# KiCad board v2a.kicad_pcb (continued)
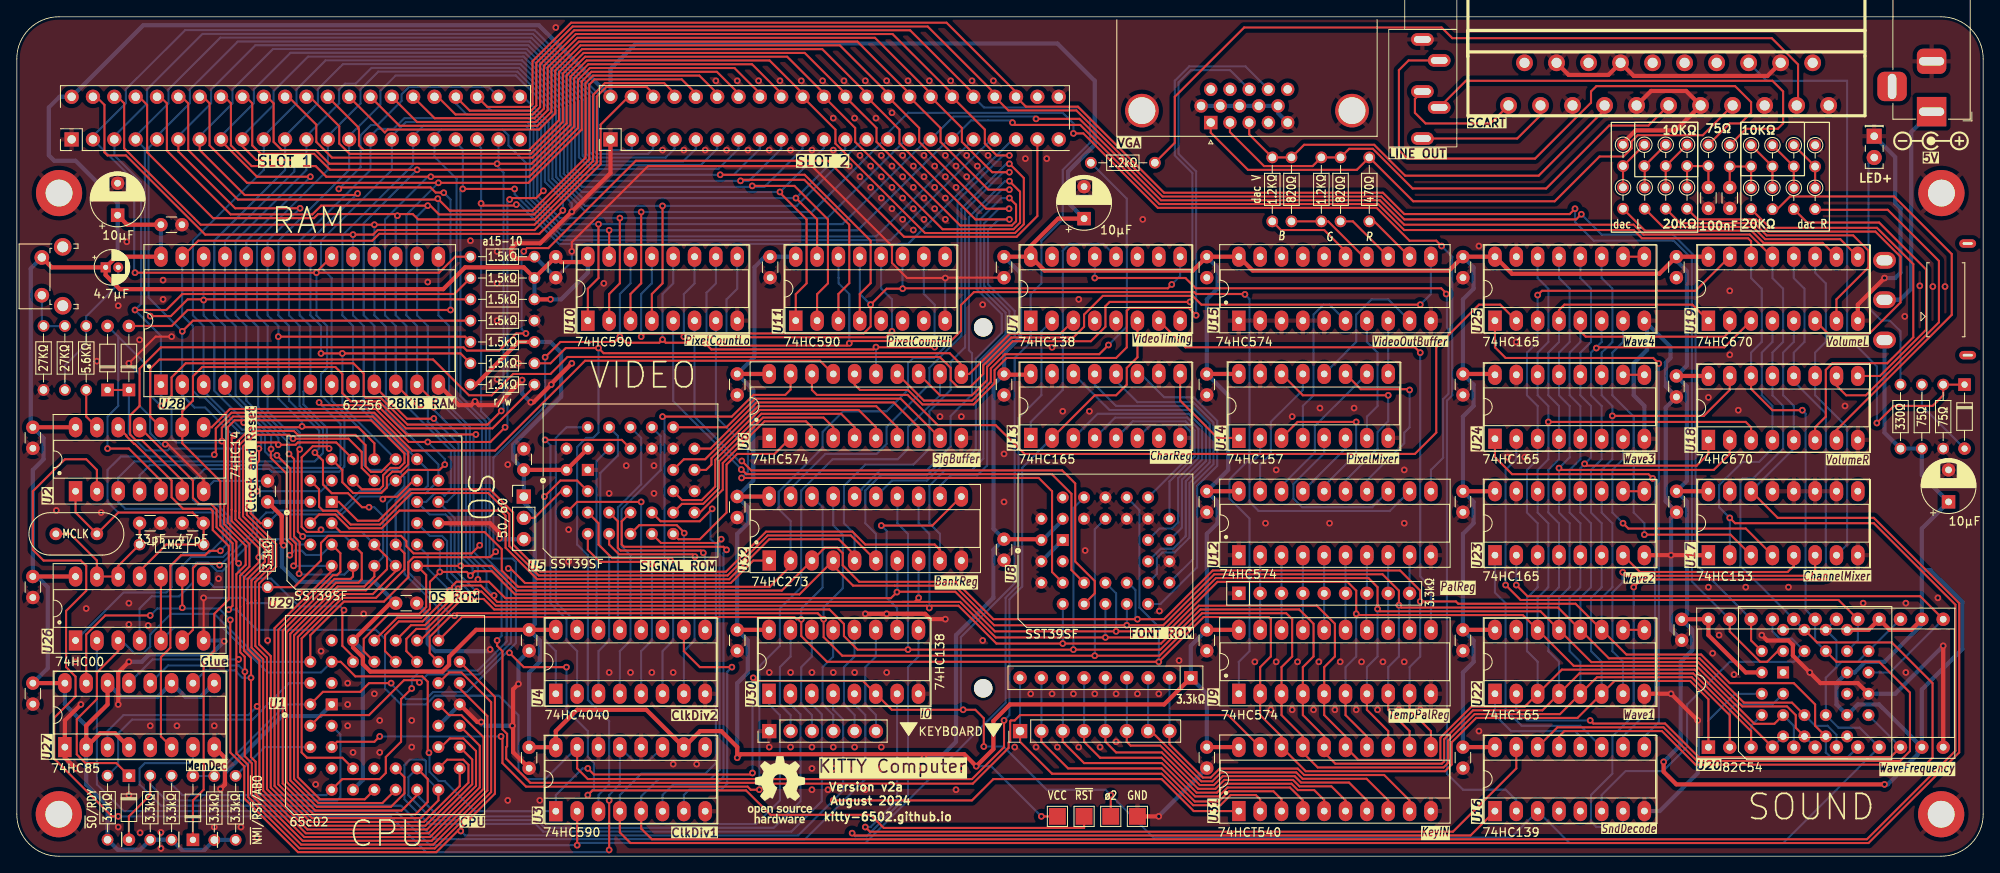
[diagram p0: board, top side]
## Routing (per net, layer and track width the routed paths; a pad name or vN(x,y) marks a point on that pad's centre or on a via; arc(x,y) is an arc through that point) (continued)
  Bottom w0.25: U20.4 208.92,13 U21.5 ; U32.13 107.32,39.67 108.59,38.4 v1(108.59,29.57) ; v1(48.9,77.5) 47.63,76.23 U28.16 47.63,64.44 48.9,63.17 48.9,51.73 52.11,48.53 52.11,43.14 51.18,42.21 U29.18 52.11,40.27 52.11,34.12 v1(54.7,31.53) ; U8.5 v1(124.47,25.33) ; v1(180.98,66.85) U25.3 180.98,61.26 179.71,59.99 179.71,54.91 180.98,53.64 U24.3 180.98,47.29 179.71,46.02 179.71,40.94 180.98,39.67 U23.3 180.98,32.05 179.71,30.78 179.71,24.43 180.98,23.16 U22.3
D5: length 444.8
  Top w0.25: v1(106.05,24.61) 136.07,24.61 140.86,29.39 152.61,29.39 154.31,27.69 154.31,23.8 153.04,22.53 U9.4 153.04,16.81 155.58,14.27 155.58,12.34 156.9,11.03 169.59,11.03 169.85,11.29 169.85,13.94 173.29,17.38 181.54,17.38 U22.4 185.94,21.78 199.5,21.78 206.38,14.89 U20.3 ; 14.14,90.87 15.51,89.5 15.51,83.86 23.35,76.01 35.36,76.01 35.85,76.5 47.12,76.5 47.75,75.86 61.61,75.86 68.57,82.83 68.57,90.69 69.97,92.09 77.04,92.09 78.27,90.87 ; U25.4 183.52,65.07 184.16,65.7 199.4,65.7 U19.1 ; U1.31 48.01,25.7 52.96,30.64 55.55,30.64 56.8,29.39 96.7,29.39 98.43,27.67 98.43,26.23 100.05,24.61 105.87,24.61 106.05,24.43
  Bottom w0.25: U25.4 183.52,61.26 182.25,59.99 182.25,54.91 183.52,53.64 U24.4 183.52,47.29 182.25,46.02 182.25,40.94 183.52,39.67 U23.4 183.52,32.05 182.25,30.78 182.25,24.43 183.52,23.16 U22.4 ; v1(53.98,30.64) 53.98,31.42 51.66,33.74 51.66,40.09 51.04,40.71 49.13,40.71 U29.19 48.7,42.21 49.74,43.25 50.6,43.25 50.9,42.94 51.66,43.7 51.66,48.34 46.36,53.64 46.36,63.17 45.09,64.44 U28.17 45.09,76.11 v1(45.29,76.3) ; v1(125.74,24.61) 125.74,41.47 U8.27 ; U21.4 206.38,15.54 U20.3 ; v1(106.05,24.61) 106.05,38.4 104.78,39.67 U32.14
D6: length 446.6
  Top w0.25: 11.6,90.87 12.78,89.69 12.78,84.33 21.88,75.23 61.61,75.23 69.02,82.64 69.02,90.51 70.16,91.65 74.95,91.65 75.73,90.87 ; U20.2 203.84,16.8 199.31,21.33 188.03,21.33 U22.5 183.63,16.92 173.48,16.92 170.31,13.75 170.31,11.11 169.77,10.57 154.81,10.57 153.04,12.34 153.04,14.27 150.5,16.81 U9.3 150.5,22.53 151.77,23.8 151.77,28.24 151.06,28.94 141.04,28.94 135.98,23.89 98.23,23.89 96.01,26.1 v1(96.01,28.24) 95.31,28.94 52.39,28.94 v1(52.09,28.64) 51.65,28.64 49.13,26.13 49.13,24.2 U1.30 ; U25.5 186.06,62.53 186.69,61.89 203.21,61.89 203.84,62.53 U19.2
  Bottom w0.25: U25.5 186.06,61.26 184.79,59.99 184.79,54.91 186.06,53.64 U24.5 186.06,47.29 184.79,46.02 184.79,40.94 186.06,39.67 U23.5 186.06,32.05 184.79,30.78 184.79,24.43 186.06,23.16 U22.5 ; U20.2 203.84,17.44 204.47,18.08 208.92,18.08 U21.3 ; v1(128.28,23.89) 128.28,38.94 129.54,40.2 ; U32.17 97.16,39.42 98.28,38.29 98.28,31.91 96.01,29.63 v1(96.01,28.24) ; v1(42.55,75.23) U28.18 42.55,64.44 43.91,63.07 43.91,52.91 50.17,46.66 U29.20 48.67,43.25 47.2,43.25 46.59,42.64 46.59,33.81 51.76,28.64 v1(52.09,28.64)
D7: length 442.7
  Top w0.25: U20.1 201.3,18.7 199.13,20.88 190.12,20.88 U22.6 185.72,16.47 173.66,16.47 170.75,13.57 170.75,10.92 169.96,10.12 153.38,10.12 150.51,13 U31.18 150.5,14.27 147.96,16.81 U9.2 147.96,22.53 149.23,23.8 149.23,28.24 148.97,28.5 141.23,28.5 v1(135.9,23.16) 96.42,23.16 93.35,26.23 v1(93.35,28.22) 92.8,28.22 92.52,28.5 52.97,28.5 U1.29 ; 9.06,90.87 10.43,89.5 10.43,83.86 10.8,83.48 12.99,83.48 22.42,74.05 v1(40.01,74.05) 42.4,74.05 42.94,74.59 61.61,74.59 69.47,82.46 69.47,87.15 73.19,90.87 ; U19.3 203.21,60.62 188.06,60.62 v1(187.97,60.53)
  Bottom w0.25: U22.6 188.6,23.16 187.33,24.43 187.33,30.78 188.6,32.05 U23.6 188.6,39.67 187.33,40.94 187.33,46.02 188.6,47.29 U24.6 188.6,53.64 187.33,54.91 187.33,59.99 188.6,61.26 U25.6 ; v1(135.9,23.16) 135.9,27.31 133.59,29.62 133.59,41.24 U8.23 ; U1.29 50.17,29.6 46.14,33.63 46.14,42.83 47.01,43.7 48.48,43.7 48.9,44.12 48.9,46.02 U29.21 41.28,53.64 41.28,63.17 40.01,64.44 U28.19 v1(40.01,74.05) ; U20.1 201.3,16.17 204.47,19.35 U21.2 ; U32.18 95.89,41.58 95.89,32.01 93.35,29.47 v1(93.35,28.22)
FX TICK: length 103.6
  Top w0.25: U25.2 176.53,65.7 174,65.7 168.91,60.62 168.91,50.47 166.38,47.92 119.91,47.92 116.48,51.36 109.6,51.36 106,54.95 95.21,54.95 94.62,55.55 U6.18
  Bottom w0.25: 178.44,63.17 U25.2
LEFT: length 70.2
  Top w0.25: R27.1 203.84,87.3 205.11,87.3 206.38,88.56 206.38,89.84 204.47,91.74 187.97,91.74 187.33,91.1 187.33,89.76 180.67,83.1 165.49,83.1 164.47,84.12 164.47,93.65 165.62,94.8 J8.T
R/~{W}: length 95.8
  Top w0.25: R2.1 61.6,55.98 56.59,50.97 46.31,50.97 43.09,54.18 39.73,54.18 38.74,55.17 38.74,57.45 37.92,58.28 22.06,58.28 20.96,57.18 20.96,54.28 19.69,53 U2.9 19.69,49.19 20.96,47.93 24.22,44.67 24.22,39.37 26.12,37.46 26.12,35.14 26.58,34.68 ; U1.38 40.01,23.8 38.74,25.06 38.74,29.12 v1(38.94,29.31)
  Bottom w0.25: v1(26.4,34.89) 26.4,33.93 27.25,33.08 30.27,33.08 33.59,29.76 38.49,29.76 v1(38.94,29.31)
RAM: length 112.8
  Bottom w0.25: U30.5 99.68,18.1 100.97,16.81 100.97,9.19 93.81,2.03 49.7,2.03 45.72,6.01 17.15,6.01 14.61,8.56 14.61,10.46 15.24,11.09 20.41,11.09 20.96,11.64 U27.7
RDY: length 42.2
  Top w0.25: D1.2 13.34,4.75 15.88,7.28 R1.1
  Bottom w0.25: R1.1 15.88,8.56 17.78,6.65 38.11,6.65 38.51,7.05 38.51,14.5 U1.3
RIGHT: length 54
  Top w0.25: R36.1 205.79,86.66 209.56,86.66 210.19,87.3 210.19,91.1 208.92,92.38 172.44,92.38 J8.R
ROM DISABLE: length 93.4
  Top w0.25: D4.2 18.42,63.17 20.33,65.07 v1(51.61,65.07) ; v1(38.32,79.49) 38.5,79.67 49.23,79.67 49.85,79.06 50.4,79.06 50.42,79.04 v1(50.81,79.04)
  Bottom w0.25: v1(51.61,65.07) 51.61,78.23 v1(50.81,79.04) ; J5.42 56.15,91.65 46.68,91.65 45.8,90.77 45.8,89.98 42.92,87.11 42.14,87.11 40.91,85.88 40.91,82.09 v1(38.32,79.49)
VBlue: length 50.8
  Top w0.25: J7.3 146.66,85.99 R14.2 R15.2 153.19,84.75 161.52,84.75 165.21,81.07 181.11,81.07 188.94,88.91 188.94,89.44
VGreen: length 61.9
  Top w0.25: J7.2 144.37,86.27 148.42,82.22 154.21,82.22 R16.2 R17.2 158.55,84.27 161.37,84.27 166.09,79.55 182,79.55 189.49,87.04 194.16,87.04 J4.11
VPixel: length 142.5
  Top w0.25: v1(23.5,47.83) 23.67,48.01 23.67,50.96 25.55,52.83 42.53,52.83 47.04,48.33 56.92,48.33 67.62,59.03 95.59,59.03 U6.17
  Bottom w0.25: v1(23.5,47.83) 23.29,47.62 12.4,47.62 10.8,46.02 10.8,42.21 12.07,40.94 23.5,40.94 24.5,39.94 24.5,37.73 22.88,36.11 19.89,36.11 18.42,34.63 18.42,32.05 17.78,31.42 12.7,31.42 U26.1
VRed: length 73.1
  Top w0.25: J7.1 142.07,86.19 146.5,81.77 159.46,81.77 R18.2 166.17,78.02 183.01,78.02 188.35,83.36 191.19,83.36 192.16,84.33 192.16,85.17 192.88,85.89 200.63,85.89 J4.15
VReset: length 44
  Top w0.25: v1(76.84,52.37) 85.08,52.37 87.67,54.95 91.44,54.95 92.08,55.59 U6.19
  Bottom w0.25: v1(76.84,52.37) 77.07,52.14 77.07,27.2 U4.11
~{B7}: length 155.7
  Top w0.25: U2.6 19.69,44.75 14.87,49.58 14.14,49.58 13.48,50.23 13.48,52.52 14.61,53.64 14.61,58.08 17.15,60.62 53.17,60.62 53.56,60.23 57.4,60.23 59.44,62.28 v1(60.58,62.28) ; J6.41 121.45,76.26 118.97,73.79 105.59,73.79 96.53,82.85 73.67,82.85 63.26,72.44 60.72,72.44 v1(60.33,72.06)
  Bottom w0.25: v1(60.33,72.06) 60.08,71.8 60.08,62.78 v1(60.58,62.28)
~{CART}: length 167.1
  Top w0.25: v1(55.08,37.04) 54.12,36.08 47.22,36.08 46.36,36.93 46.36,37.53 45.72,38.17 37.04,38.17 36.2,37.33 36.2,35.24 33.01,32.05 30.48,32.05
  Bottom w0.25: v1(55.08,37.04) 55.36,37.32 55.36,51.62 52.34,54.64 52.34,80.68 49.7,83.32 J5.35 ; 113.83,85.79 J6.35 102.28,73.84 64.89,73.84 60.59,78.15 60.59,82.59 58.5,84.68 58.5,85.88 57.81,86.56 50.48,86.56 49.7,85.79 ; U26.8 23.5,32.05 R37.1
~{ChrGet}: length 31.2
  Bottom w0.25: U13.1 120.66,51.73 124.47,55.55 124.47,72.14 125.27,72.94 129.29,72.94 U7.12
~{CLK1}: length 177.7
  Top w0.25: v1(167.01,65.7) 140.97,65.7 139.92,66.76 129.24,66.76 127,64.52 127,63.08 125.73,61.8 118.33,61.8 115,58.48 115,57.45 113.48,55.92 111.93,55.92 111.13,56.73 111.13,58.17 109.83,59.47 65.53,59.47 63.5,57.45 59.06,57.45 56.52,54.91 53.8,54.91 49.54,59.17 16.97,59.17 15.88,58.08 15.88,52.37 U2.10
  Bottom w0.25: U15.11 168.28,66.97 v1(167.01,65.7)
~{HSync}: length 90.1
  Top w0.25: v1(140.34,64.44) 139.45,65.33 132.43,65.33 132.09,64.98 132.09,60.62 130.81,59.36 117.79,59.36 116.35,57.92 116.35,56.33 113.85,53.83 107.77,53.83 106.05,55.55 100.34,55.55 99.7,56.18 U6.16
  Bottom w0.25: v1(140.34,64.44) 140.34,81.58 138.25,83.67 138.25,92.19 139.71,93.65 144.37,93.65 J7.13
~{NMI}: length 187.6
  Top w0.25: U1.7 38.74,9.19 43.19,9.19 43.91,9.91 43.91,11.82 45.72,13.64 45.72,18.72 v1(47,19.98) ; v1(53.06,79.5) v1(59.24,79.5)
  Bottom w0.25: J5.37 52.24,85.04 53.06,84.22 v1(53.06,79.5) 52.79,79.22 52.79,54.83 53.98,53.64 53.98,53.64 55.81,51.81 55.81,35.58 58.3,33.1 58.3,25.57 54.83,22.11 48.06,22.11 47,21.05 v1(47,19.98) ; 116.37,85.79 103.97,73.39 64.7,73.39 59.24,78.86 v1(59.24,79.5) ; U1.7 36.83,7.28 19.69,7.28 18.42,8.56 R3.1
~{OscWr}: length 106.8
  Top w0.25: U16.1 172.99,2.47 99.68,2.47 v1(99.4,2.75)
  Bottom w0.25: U30.9 107.3,23.77 106.05,22.53 106.05,7.29 101.15,2.38 99.76,2.38 v1(99.4,2.75)
~{PalGet}: length 66.2
  Top w0.25: v1(167.01,59.99) 166.38,60.62 139.07,60.62 U7.7
  Bottom w0.25: U9.11 168.28,32.05 167.01,33.32 v1(167.01,59.99)
~{PalPush}: length 69.7
  Top w0.25: 170.19,66.97 169.5,67.66 140.29,67.66 139.07,68.88 v1(128.28,68.88)
  Bottom w0.25: v1(128.28,68.88) U7.13 ; v1(170.09,66.97) 170.19,66.89 170.19,62.98 170.37,62.8 170.37,55.1 169.74,54.46 169.74,47.47 168.28,46.02 U12.11
~{PAL}/NTSC: length 6.4
  Top w0.25: J9.2 61.6,40.31 64.78,43.48 U5.2
~{RAMRD}: length 100.6
  Top w0.25: v1(24.22,36.38) 22.93,36.38 22.41,35.86 19.55,35.86 18.27,34.59 18.27,24.83 17.15,23.71 17.15,14.27 U27.6
  Bottom w0.25: U28.22 32.39,64.44 33.66,63.17 33.66,53.64 36.43,50.86 36.43,48.01 35.45,47.03 14,47.03 12.07,45.11 U2.3 12.07,42.21 12.89,41.39 23.69,41.39 24.95,40.12 24.95,37.11 v1(24.22,36.38)
~{RegTick}: length 101.1
  Top w0.25: v1(74.3,61.89) 74.68,62.28 100.78,62.28 101.6,63.1 v1(101.6,65.7) 103.51,67.61 v1(105.41,67.61) 105.46,67.66 136.98,67.66 v1(137.44,68.11)
  Bottom w0.25: v1(137.44,68.11) 138.44,69.11 U7.9 ; U10.13 75.57,68.25 74.3,66.97 v1(74.3,61.89) ; U11.11 105.39,67.63 v1(105.41,67.61) ; v1(79.38,61.89) 79.38,66.97 80.65,68.25 U10.11 ; 100.31,71.42 100.31,67 v1(101.6,65.7)
~{RESET}: length 268
  Top w0.25: TP3.1 127,3.37 103.16,3.37 101.6,4.93 89.69,4.93 86.78,7.84 68.5,7.84 v1(67.95,7.28) ; v1(44.55,20.62) 41.92,20.62 40.88,19.58 36.43,19.58 U1.44 ; v1(65.41,22.53) 60.33,22.53 v1(58.62,24.23) ; v1(59.44,77.63) 59.32,77.51 55.51,77.51 v1(55.25,77.77) ; 20.6,9.55 20.58,9.57
  Bottom w0.25: v1(67.95,7.28) 68.67,8.01 68.67,11.09 67.95,11.82 67.95,14.91 65.41,17.44 v1(65.41,22.53) ; J5.39 54.78,84.84 55.25,84.37 v1(55.25,77.77) 55.25,53 56.26,52 56.26,35.77 56.56,35.47 58.97,35.47 59.39,35.04 59.39,25.4 53.56,19.57 49.55,19.57 48.7,18.72 46.36,18.72 44.55,20.53 v1(44.55,20.62) ; 118.91,85.79 105.96,72.84 105.86,72.94 64.52,72.94 59.83,77.63 v1(59.44,77.63) ; U1.44 32.03,18.08 R43.1 20.98,9.55 D2.2
~{R}/W: length 362
  Top w0.25: U20.22 206.38,25.7 U21.26 ; U29.24 45.29,44.75 46.56,46.02 50.3,46.02 v1(50.93,46.66) ; v1(186.18,76.48) 185.57,75.86 165.1,75.86 162.38,78.59 136.34,78.59 126.09,88.84 117.99,88.84 J6.38 ; 116.37,90.87 108.39,98.84 66.14,98.84 61.82,94.52 61.82,89.43 61.21,88.81 53.9,88.81 J5.38 ; v1(62.66,79.27) 61.8,78.41 58.82,78.41 v1(58.65,78.23) ; v1(58.11,51.1) 56.35,49.35 46.66,49.35 42.72,53.28 25.36,53.28 23.23,51.14 23.23,51.1 U2.8
  Bottom w0.25: U29.24 44.77,44.75 43.5,43.48 40.81,43.48 38.51,41.17 30.72,41.17 30.48,40.94 29.67,40.94 28.58,39.85 28.58,38.1 24.44,33.95 23.83,33.95 22.83,34.96 21.33,34.96 20.96,34.59 20.96,32.6 19.33,30.97 16.06,30.97 14.61,29.51 U26.4 ; v1(58.65,78.23) 58.37,77.96 58.37,51.37 v1(58.11,51.1) ; U20.22 199.78,34.83 199.78,71.35 197.09,74.05 188.6,74.05 v1(186.18,76.48) ; J5.38 52.24,89.67 53.55,88.37 61.1,88.37 62.39,87.07 62.39,79.54 v1(62.66,79.27) ; v1(48.9,49.35) 50.93,47.32 v1(50.93,46.66)
~{Sync}: length 54.5
  Top w0.25: v1(129.91,60.9) 128.81,59.81 117.61,59.81 115.91,58.1 115.91,56.51 113.67,54.28 107.96,54.28 U6.14
  Bottom w0.25: R39.1 132.09,78.34 132.09,63.08 v1(129.91,60.9)
~{VIrq}: length 118.8
  Top w0.25: v1(43.19,14.27) 42.55,13.64 38.11,13.64 U1.5 ; v1(88.36,7.92) 87.33,7.92 86.96,8.29 60.59,8.29 57.79,11.09 57.79,14.1 v1(57.62,14.27)
  Bottom w0.25: v1(57.62,14.27) v1(43.19,14.27) ; v1(88.36,7.92) 88.36,22.62 90.81,25.07 90.81,29.51 93.35,32.05 93.35,43.57 97.07,47.29 104.82,47.29 106.05,48.52 106.05,51.1 109.86,54.91 U6.12
~{VolWr}: length 101.2
  Top w0.25: U16.15 178.44,10.46 170.9,2.92 101.53,2.92 v1(100.97,3.47)
  Bottom w0.25: v1(100.97,3.47) 101.6,3.47 104.76,6.63 U30.7
~{VP}: length 70
  Top w0.25: U1.2 36.2,16.81 41.92,16.81 46.08,20.97 47.63,20.97 v1(47.91,20.7) ; U32.1 87.64,35.22 84.96,32.55 60.48,32.55 58.74,34.28 v1(58.49,34.28)
  Bottom w0.25: v1(58.49,34.28) 58.81,33.97 58.81,25.45 55.02,21.66 48.87,21.66 v1(47.91,20.7)
~{VReset}: length 53.1
  Top w0.25: v1(81.92,61.1) 82.64,60.38 101.97,60.38 v1(102.24,60.65) 102.26,60.62 109.2,60.62 v1(109.22,60.65)
  Bottom w0.25: U10.10 83.19,68.25 82.06,67.12 82.06,61.25 v1(81.92,61.1) ; U6.15 v1(102.24,60.65) ; v1(109.22,60.65) 109.22,65.7 107.93,67 107.93,71.42
~{VSync}: length 80.6
  Top w0.25: U6.13 109.86,54.91 113.67,54.91 115.46,56.7 115.46,58.29 118.52,61.35 127.82,61.35 129.54,63.08 129.54,65.53 130.05,66.03 v1(139.62,66.03)
  Bottom w0.25: J7.14 146.21,94.09 139.52,94.09 137.8,92.38 137.8,83.48 139.89,81.39 139.89,66.31 v1(139.62,66.03)
~{WR}: length 354.7
  Top w0.25: J5.40 55.99,89.27 61.02,89.27 61.37,89.62 61.37,94.71 65.96,99.3 110.64,99.3 118.91,91.03 J6.40 120.08,89.3 126.28,89.3 136.53,79.04 162.56,79.04 165.1,76.5 184.79,76.5 v1(185.43,77.13) ; U20.23 203.84,26.77 207.45,23.16 208.28,23.16 209.56,24.43 U21.27 ; v1(28.58,43.48) 28.58,46.83 28.82,47.08 28.82,48.55 v1(28.81,48.57) ; U28.27 21.59,73.33 42.31,73.33 43.13,74.14 62.19,74.14 v1(64.98,76.93) ; U26.6 20.96,26.97 20.96,34.32 21.49,34.84 23.97,34.84 v1(24.14,34.68)
  Bottom w0.25: U28.27 19.69,64.44 20.96,63.17 20.96,55.46 21.76,54.66 22.34,54.66 26.63,50.36 28.67,50.36 29.08,49.95 29.08,48.84 v1(28.81,48.57) ; v1(64.98,76.93) 64.98,78.2 62.84,80.34 62.84,87.26 61.28,88.81 56.44,88.81 J5.40 ; U29.31 36.2,43.48 v1(28.58,43.48) 28.13,43.03 28.13,38.59 24.22,34.68 v1(24.14,34.68) ; v1(185.43,77.13) 185.43,75.56 187.66,73.33 197.18,73.33 199.34,71.17 199.34,32.73 U20.23
Net-(C1-Pad2): length 17.2
  Bottom w0.25: C1.2 12.07,68.12 8.26,64.31 R6.1 8.26,61.01 5.72,58.47 R5.2
Net-(C2-Pad1): length 18
  Top w0.25: Y1.2 6.35,38.4 9.53,35.22 U26.13 U26.12 12.07,34.59 R7.1 C2.1
Net-(C3-Pad1): length 32.5
  Top w0.25: R7.2 17.78,37.13 14.61,33.95 U26.11 ; 22.21,37.75 22.23,37.77 22.23,40.31 ; C3.1 20.92,40.94 12.07,40.94 Y1.1 6.99,40.94 U2.1
Net-(C4-Pad2): length 7.6
  Top w0.25: R22.1 R26.2 198.76,82.22 R27.2 C4.2
Net-(C5-Pad2): length 7.6
  Top w0.25: R31.1 R35.2 R36.2 C5.2
Net-(D2-K): length 58.3
  Top w0.25: D2.1 20.96,6.65 22.23,7.92 22.23,23.16 23.5,24.43 23.5,28.88 25.22,30.6 25.22,36.95 23.31,38.86 23.31,41.12 23.05,41.39 19.79,41.39 18.42,42.76 18.42,44.75 14.04,49.12 13.96,49.12 13.03,50.05 13.03,50.14 U2.12
Net-(D3-A): length 29.5
  Bottom w0.25: D3.2 220.35,82.56 220.35,65.33 221.88,63.8 222.89,63.8 224.16,62.53 R41.2
Net-(D4-K): length 53.5
  Top w0.25: v1(43.56,42.54) 43.83,42.81 45.26,42.81 47.19,44.75 U29.22 ; v1(28.1,47.86) 27.83,47.58 27.83,40.86 29.01,39.67 R37.2 ; D5.1 D4.1
  Bottom w0.25: D4.1 13.34,50.38 15.37,48.35 17.96,48.35 18.18,48.56 27.4,48.56 v1(28.1,47.86) ; v1(43.56,42.54) 43.25,42.84 40.81,42.84 38.69,40.72 30.91,40.72 29.85,39.67 R37.2
Net-(D6-A): length 9.7
  Bottom w0.25: D6.2 226.7,53.64 R38.2
Net-(D6-K): length 67.9
  Top w0.25: v1(221.34,51.61) 223.38,53.64 227.97,53.64 229.24,54.91 R40.1 D6.1
  Bottom w0.25: J4.16 208.23,92.38 217.81,92.38 217.81,61.89 221.34,58.36 v1(221.34,51.61)
Net-(J4-P19): length 93.2
  Top w0.25: R39.2 137.8,84.98 137.8,90.47 146.06,98.72 169.55,98.72 170.82,97.45 208.84,97.45 211.97,94.32 211.97,89.61 J4.19
Net-(R4-Pad1): length 6.3
  Bottom w0.25: 3.18,63.14 5.7,63.14 R5.1 ; SW1.1 2.98,63.37 R4.1
Net-(R6-Pad2): length 5
  Top w0.25: U2.13 8.26,52.37 R6.2
Net-(R19-Pad1): length 6.1
  Top w0.25: R19.1 R23.2 R24.1
Net-(R20-Pad1): length 6.1
  Top w0.25: R20.1 193.72,82.17 R24.2 R25.1
Net-(R21-Pad1): length 6.1
  Top w0.25: R21.1 R25.2 196.22,82.22 R26.1
Net-(R28-Pad1): length 6.1
  Top w0.25: R33.1 R32.2 R28.1
Net-(R29-Pad1): length 6.1
  Top w0.25: R34.1 R33.2 R29.1
Net-(R30-Pad1): length 6.1
  Top w0.25: R35.1 R34.2 R30.1
Net-(RN1-R1): length 8.9
  Bottom w0.25: U9.19 RN1.2 U12.2
Net-(RN1-R2): length 8.9
  Bottom w0.25: U12.3 RN1.3 U9.18
Net-(RN1-R3): length 8.9
  Bottom w0.25: U9.17 RN1.4 U12.4
Net-(RN1-R4): length 8.9
  Bottom w0.25: U12.5 RN1.5 U9.16
Net-(RN1-R5): length 8.9
  Bottom w0.25: U9.15 RN1.6 U12.6
Net-(RN1-R6): length 9
  Bottom w0.25: U9.14 160.57,27.06 160.57,31.22 RN1.7 U12.7
Net-(RN1-R7): length 8.9
  Bottom w0.25: U9.13 RN1.8 U12.8
Net-(RN1-R8): length 8.9
  Bottom w0.25: U9.12 RN1.9 U12.9
Net-(U1-~{SO}): length 30.9
  Bottom w0.25: U1.42 32.39,20.62 28.03,16.27 13.7,16.27 12.07,14.63 12.07,10.86 R42.1
Net-(U1-ϕ1): length 10.3
  Bottom w0.25: U1.4 29.47,13 R44.1
Net-(U3-Q6): length 54.3
  Top w0.25: U5.10 71.98,39.89 71.98,37.13 72.24,36.86 84.09,36.86 v1(84.46,36.5)
  Bottom w0.25: U3.6 76.84,7.28 78.11,8.56 83.19,8.56 84.09,9.46 84.09,36.12 v1(84.46,36.5)
Net-(U3-Q7): length 49.6
  Top w0.25: v1(79.42,38.49) 79.42,38.55 78.54,39.44 74.07,39.44 U5.9 ; v1(85.09,22.53) 81.28,22.53 79.38,24.43 U4.10
  Bottom w0.25: U3.7 79.38,7.28 80.02,7.92 83.83,7.92 84.54,8.63 84.54,21.97 v1(85.09,22.53) ; v1(79.42,38.49) 79.38,38.45 U4.10
Net-(U4-Q0): length 25.1
  Top w0.25: v1(81.69,36.14) 81.42,36.42 71.84,36.42 71.53,36.73 71.53,39.9 U5.8
  Bottom w0.25: 82.48,27.53 U4.9 81.92,35.91 v1(81.69,36.14)
Net-(U4-Q1): length 29
  Top w0.25: U5.7 70.49,37.13 71.66,35.97 80.43,35.97 v1(80.7,35.69)
  Bottom w0.25: v1(80.7,35.69) 80.65,35.64 80.65,25.7 79.38,24.43 U4.7
Net-(U4-Q2): length 30.2
  Top w0.25: v1(77.8,35.24) 77.52,35.52 70.83,35.52 69.22,37.13 69.22,39.67 U5.6
  Bottom w0.25: v1(77.8,35.24) 78.11,34.93 78.11,25.7 76.84,24.43 U4.6
Net-(U4-Q3): length 26.2
  Top w0.25: v1(75.57,34.79) 75.3,35.06 69.38,35.06 67.95,36.5 U5.5
  Bottom w0.25: v1(75.57,34.79) 75.57,25.7 74.3,24.43 U4.5
Net-(U4-Q4): length 34
  Bottom w0.25: U4.3 69.22,24.43 70.49,25.7 70.49,35.84 69.44,36.89 69.44,45.65 71.53,47.74 71.53,50.06 U5.27
Net-(U4-Q5): length 42.4
  Top w0.25: v1(62.87,49.6) 71.99,49.6 U5.26
  Bottom w0.25: v1(62.87,49.6) 63.5,48.96 63.5,30.14 65.41,28.24 65.41,25.7 66.68,24.43 U4.2
Net-(U4-Q6): length 35.1
  Bottom w0.25: U5.23 76.62,50.05 76.62,46 71.98,41.35 71.98,36.91 73.03,35.86 73.03,25.7 71.76,24.43 U4.4
Net-(U4-Q7): length 25.9
  Bottom w0.25: U4.13 71.76,28.24 71.53,28.47 71.53,41.54 74.3,44.31 74.3,49.83 U5.25
Net-(U4-Q8): length 24.7
  Top w0.25: v1(74.3,42.21) 66.68,42.21 U5.4
  Bottom w0.25: U4.12 v1(74.3,42.21)
Net-(U4-Q9): length 23.5
  Bottom w0.25: 69.86,27.61 U4.14 68.58,27.61 68.99,28.01 68.99,47.06 U5.28
Net-(U4-Q10): length 28.2
  Bottom w0.25: U5.29 65.41,51.1 64.14,49.83 64.14,30.27 66.68,27.73 U4.15
Net-(U4-Q11): length 30.5
  Top w0.25: v1(62.78,42.84) 64.69,44.75 66.68,44.75 U5.3
  Bottom w0.25: v1(62.78,42.84) 62.87,42.75 62.87,25.7 64.14,24.43 U4.1
Net-(U5-D0): length 22.6
  Top w0.25: U5.13 78.75,37.77 81.28,37.77 84.46,40.94 84.46,46.66 85.73,47.92 90.18,47.92 U6.2
Net-(U5-D1): length 21.9
  Top w0.25: U5.14 81.28,40.94 84.01,43.67 84.01,46.84 88.97,51.81 93.91,51.81 94.62,51.1 U6.3
Net-(U5-D2): length 27.3
  Top w0.25: U6.4 97.16,51.1 96,52.25 88.79,52.25 83.56,47.03 83.56,43.85 81.68,41.98 79.15,41.98 U5.15
Net-(U5-D3): length 30.1
  Top w0.25: U6.5 99.7,51.1 98.09,52.7 88.6,52.7 83.11,47.21 83.11,44.04 81.5,42.43 79.16,42.43 U5.17
Net-(U5-D4): length 27.1
  Top w0.25: U5.18 82.03,46.02 82.66,46.66 82.66,47.4 88.41,53.16 100.19,53.16 102.24,51.1 U6.6
Net-(U5-D5): length 32.1
  Top w0.25: U5.19 79.38,47.29 81.91,47.29 88.23,53.61 102.28,53.61 104.78,51.1 U6.7
Net-(U5-D6): length 31.4
  Top w0.25: U5.20 82.55,48.56 88.04,54.06 104.37,54.06 107.32,51.1 U6.8
Net-(U5-D7): length 35.1
  Top w0.25: U6.9 105.19,54.5 87.86,54.5 84.45,51.1 U5.21
Net-(U10-~{RCO}): length 40.5
  Top w0.25: v1(104.15,62.53) 103.44,61.83 84.29,61.83 v1(84.02,61.55)
  Bottom w0.25: U11.12 102.85,67.63 104.15,66.34 v1(104.15,62.53) ; v1(84.02,61.55) 84.46,61.99 84.46,66.34 85.73,67.61 U10.9
Net-(U13-D0): length 37.9
  Bottom w0.25: U8.13 136.09,30.05 140.45,34.41 140.45,44.12 142.85,46.52 142.85,51.86 140.04,54.67 136.53,54.67 133.75,57.45 U13.11
Net-(U13-D1): length 35.7
  Bottom w0.25: 137.16,32.58 140,35.42 140,44.3 142.41,46.71 142.41,51.67 139.98,54.09 133.35,54.09 130.81,56.63 U13.12
Net-(U13-D2): length 39.7
  Bottom w0.25: 134.62,32.58 135.66,33.62 135.66,35.52 136.32,36.18 137.78,36.18 139.55,37.95 139.55,44.49 141.96,46.89 141.96,51.48 139.8,53.64 130.81,53.64 128.28,56.18 U13.13
Net-(U13-D3): length 38.2
  Bottom w0.25: U8.17 136.13,36.63 137.59,36.63 139.1,38.14 139.1,44.68 141.5,47.08 141.5,51.3 139.65,53.16 130.03,53.16 U13.14
Net-(U13-D4): length 32.2
  Bottom w0.25: U8.18 138.65,39.15 138.65,44.86 141.06,47.27 141.06,51.11 139.46,52.7 128.61,52.7 U13.3
Net-(U13-D5): length 30.5
  Bottom w0.25: U13.4 130.7,52.25 139.27,52.25 140.6,50.92 140.6,47.45 138.2,45.05 138.2,39.78 137.46,39.03 136,39.03 U8.19
Net-(U13-D6): length 22.4
  Bottom w0.25: 137.16,40.2 137.16,44.65 140.16,47.64 140.16,50.74 139.09,51.81 132.79,51.81 U13.5
Net-(U13-D7): length 17.2
  Bottom w0.25: U13.6 134.88,51.36 138.9,51.36 139.71,50.55 139.71,47.83 U8.21
Net-(U13-Q7): length 12
  Top w0.25: U14.1 142.88,49.83 138.44,54.28 U13.9
Net-(U14-Za): length 20.9
  Bottom w0.25: 153.04,50.38 U14.4 153.04,53.64 154.31,54.91 154.31,64.52 155.49,65.7 156.22,65.7 U15.6
Net-(U14-Zb): length 15
  Bottom w0.25: U15.7 160.66,61.26 161.93,59.99 161.93,53.64 160.66,52.37 U14.7
Net-(U14-Zc): length 6.3
  Bottom w0.25: U14.9 U15.8
Net-(U14-Zd): length 16.8
  Bottom w0.25: U15.9 163.2,66.34 161.21,66.34 159.39,64.52 159.39,61.26 U14.12
Net-(U22-DS): length 2.5
  Top w0.25: U22.9 U22.10
Net-(U23-DS): length 2.5
  Top w0.25: U23.9 U23.10
Net-(U24-DS): length 2.5
  Top w0.25: U24.9 U24.10
Net-(U25-DS): length 2.5
  Top w0.25: U25.9 U25.10
Net-(U31-G2): length 194
  Top w0.25: v1(35.97,54.05) 36.29,53.73 42.91,53.73 46.39,50.24 v1(54.63,50.24) ; v1(57.16,25.7) 57.16,25.06 57.79,24.43 57.79,15.13 58.35,14.57 58.35,13.11 58.24,13 58.24,11.61 61.11,8.74 88.72,8.74 88.91,8.56 89,8.65 113.76,8.65 118.03,12.91 118.03,13.55 118.21,13.73 118.21,16.08 118.31,16.17 118.75,16.17 119.38,16.81 144.15,16.81 U31.19
  Bottom w0.25: v1(35.97,54.05) 38.52,51.5 38.52,46.6 38.18,46.25 30.53,46.25 30.2,46.58 15.81,46.58 14.61,45.39 U2.4 ; v1(54.63,50.24) 54.36,49.97 54.36,36.26 57.69,32.92 57.69,26.24 v1(57.16,25.7)

## Copper pours and planes (outline as drawn; the poured copper is in the pictures)
GND on Top, Bottom: 234.14,100.15 234.14,-0.05 0.14,-0.05 0.14,100.15

## Text on the board
B.Silkscreen: JLCJLCJLCJLC
F.Silkscreen: KeyIN | dac L | PixelCountLo | PixelCountHi | SigBuffer | BankReg | VideoTiming | CharReg | PixelMixer | VideoOutBuffer | PalReg | ChannelMixer | VolumeL | VolumeR | WaveFrequency | VCC | ~{RST} | ø2 | GND | a15-10 | r/~{w} | B | G | R | IO | TempPalReg | Wave4 | Wave2 | Wave1 | SndDecode | dac R | dac V | ~{SO}/RDY | ~{NMI}/~{RST}/~{ABO} | Wave3 | MemDec | KEYBOARD | 50/60 | kitty-6502.github.io | Version v2a | 10KΩ | 20KΩ | Glue | 28KiB RAM | OS ROM | SIGNAL ROM | ClkDiv2 | ClkDiv1 | August 2024 | VGA | FONT ROM | LINE OUT | SCART | 75Ω | 100nF | LED+ | 5V | CPU | Clock and Reset | SLOT 1 | SLOT 2 | KITTY Computer | RAM | VIDEO | SOUND | OS
